# Altium PCB RS2-708_V009.PcbDoc (part 2 of 4)
Units mm, origin at the board's own origin, x right, y up, seen from the top; angles counter-clockwise.
Board outline 68 x 68 mm, 4 copper layers (Top Layer, Layer 1, Layer 2, Bottom Layer), stack 0.783 mm thick; 241 components, 170 nets, 852 pads, 395 vias.
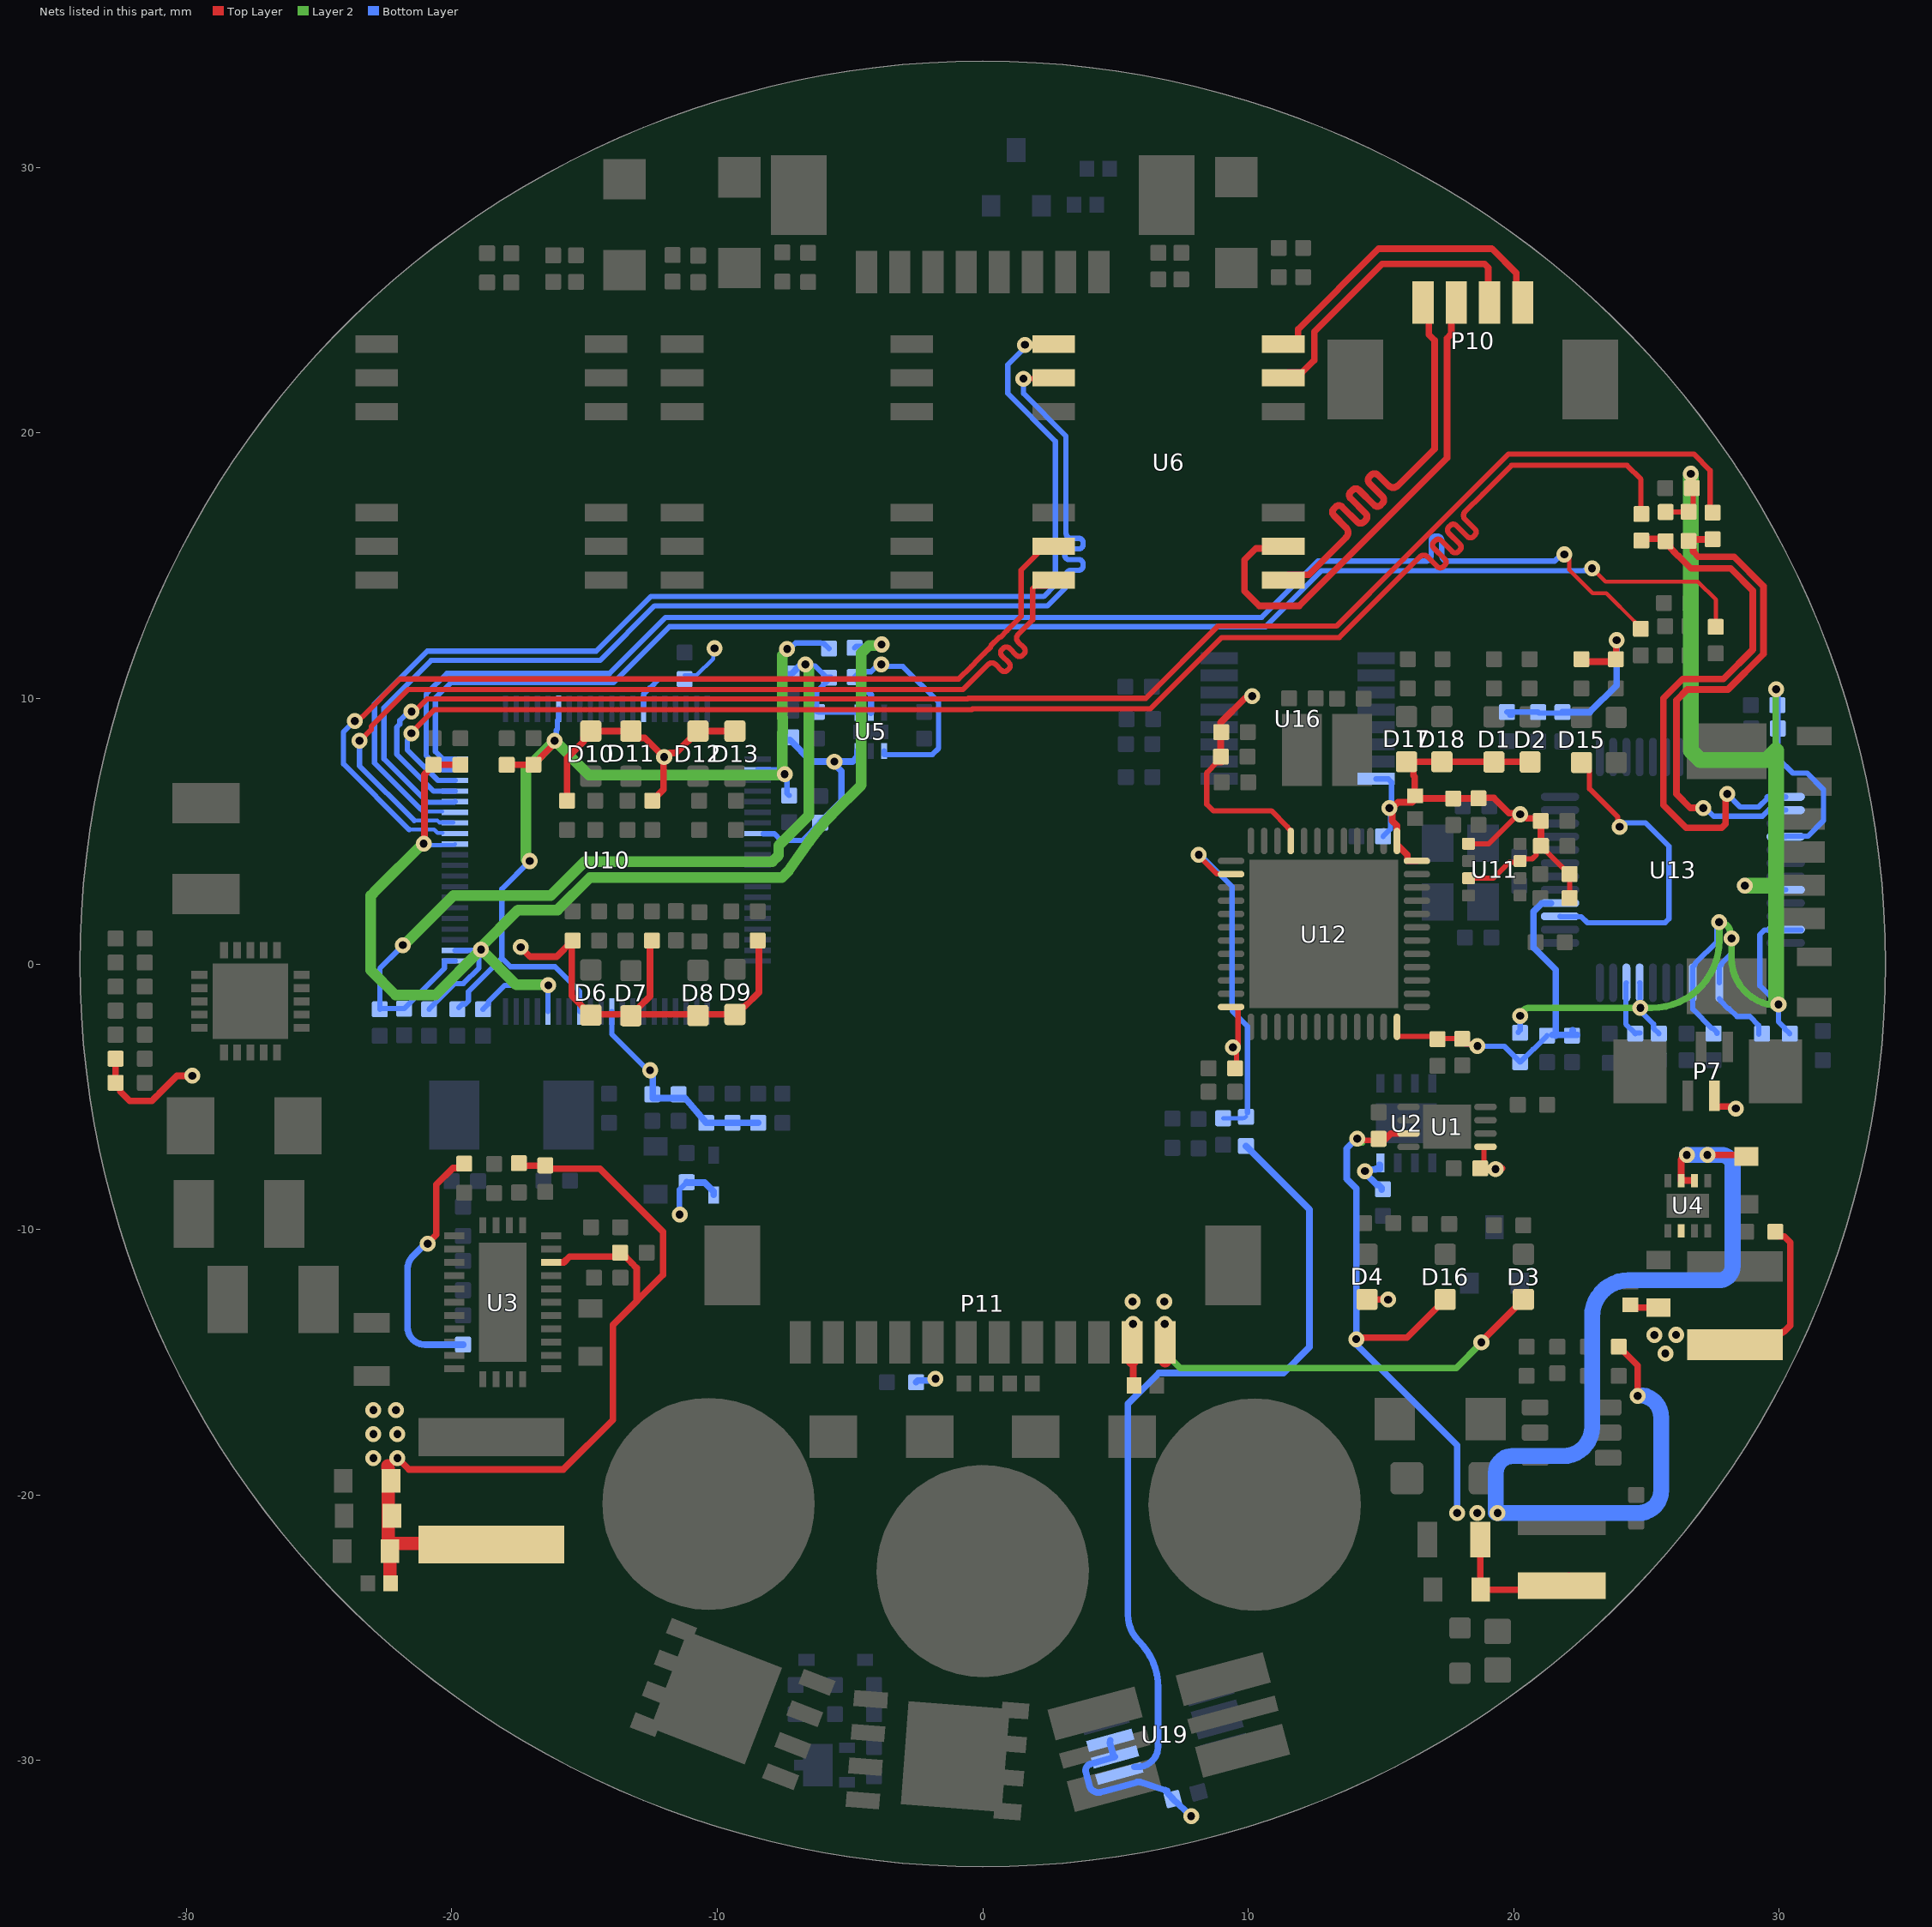
[diagram p4: the nets of this part, all layers, seen from the top]

## Part data (continued)
C60 C61: Capacitance=16pF, Case/Package=0402, Case Code (Metric)=1005, Dielectric=C0G, Manufacturer 1=Murata, Manufacturer Part Number 1=GRM1555C1H160JA01D, Max Operating Temperature=125°C, Min Operating Temperature=-55°C, Package Quantity=1, Supplier Part Number 1=490-5926-1-ND, Voltage Rating=50V, Case Code (Imperial)=0402, ComponentLink1Description=https://datasheet.ciiva.com/3778/10932grm1555c1h160ja0123-3778199.pdf?src-supplier=Arrow, ComponentLink1URL=https://datasheet.ciiva.com/3778/10932grm1555c1h160ja0123-3778199.pdf?src-supplier=Arrow, ComponentLink2Description=https://datasheet.ciiva.com/6256/grm1555c1h160ja01-01-6256808.pdf?src-supplier=Digi-Key, ComponentLink2URL=https://datasheet.ciiva.com/6256/grm1555c1h160ja01-01-6256808.pdf?src-supplier=Digi-Key, ComponentLink3Description=https://datasheet.ciiva.com/18184/getdatasheetpartid-319096-18184204.pdf?src-supplier=Verical, ComponentLink3URL=https://datasheet.ciiva.com/18184/getdatasheetpartid-319096-18184204.pdf?src-supplier=Verical, ComponentLink4Description=https://datasheet.ciiva.com/22698/1666664-22698393.pdf?src-supplier=Element14, ComponentLink4URL=https://datasheet.ciiva.com/22698/1666664-22698393.pdf?src-supplier=Element14, ComponentLink5Description=https://datasheet.ciiva.com/6256/partnumbering-e-01-6256810.pdf?src-supplier=Digi-Key, ComponentLink5URL=https://datasheet.ciiva.com/6256/partnumbering-e-01-6256810.pdf?src-supplier=Digi-Key, ComponentLink6Description=https://datasheet.ciiva.com/6256/partnumbering-e-01-6256812.pdf?src-supplier=Digi-Key, ComponentLink6URL=https://datasheet.ciiva.com/6256/partnumbering-e-01-6256812.pdf?src-supplier=Digi-Key, ComponentLink7Description=https://datasheet.ciiva.com/5426/product-5426941.pdf?src-supplier=Mouser, ComponentLink7URL=https://datasheet.ciiva.com/5426/product-5426941.pdf?src-supplier=Mouser, Depth=0.5mm, Height=0.5mm, Lead Free="Lead Free", Length=1mm, Material=Ceramic, Mount="Surface Mount", Packaging="Tape and Reel", Pricing 1="1=0,10000, 10=0,06500, 100=0,02920, 500=0,02082, 1000=0,01637, 2500=0,01488, 5000=0,01369 (USD)", Radiation Hardening=No, REACH SVHC="No SVHC", RoHS=Yes, Stock 1=244001, Supplier 1=Digi-Key, Termination=SMD/SMT, Thickness=0.022inch, Voltage Rating (DC)=50V, Width=0.5mm
C65: "CAP CER 2.2UF 100V X7R 1206", Capacitance=2.2uF, Case/Package=1206, Manufacturer 1=Yageo, Manufacturer Part Number 1=CC1206KKX7R0BB225, Max Operating Temperature=125°C, Min Operating Temperature=-55°C, Supplier Part Number 1=311-3450-1-ND, Voltage Rating=100V, Category="Ceramic Capacitors", ComponentLink1Description=http://www.yageo.com/documents/recent/UPY-NP0X7R_MV_100-to-630V_21.pdf?src-supplier=Digi-Key, ComponentLink1URL=http://www.yageo.com/documents/recent/UPY-NP0X7R_MV_100-to-630V_21.pdf?src-supplier=Digi-Key, ComponentLink2Description=http://www.yageo.com/documents/recent/UPY-NP0X7R_MV_100-to-630V_18.pdf?src-supplier=Digi-Key, ComponentLink2URL=http://www.yageo.com/documents/recent/UPY-NP0X7R_MV_100-to-630V_18.pdf?src-supplier=Digi-Key, Length=0.126inch, Mount="Surface Mount", Packaging="Tape and Reel", Pricing 1="1=0,72000, 10=0,50600, 50=0,38280, 100=0,33330, 500=0,24690, 1000=0,20987 (USD)", RoHS=Yes, Stock 1=8, Supplier 1=Digi-Key, Thickness=0.057inch, Width=0.063inch
C76: "0402 0.1 uF 100 V ±10% Tolerance X5R SMT Multilayer Ceramic Capacitor", Capacitance=100nF, Case Code (Imperial)=0402, Case Code (Metric)=1005, Dielectric=X5R, Manufacturer 1=Murata, Manufacturer Part Number 1=GRM155R62A104KE14D, Max Operating Temperature=85°C, Min Operating Temperature=-55°C, Package Quantity=10000, Supplier Part Number 1=490-10458-1-ND, Voltage Rating=100V, Case/Package=0402, Category="Ceramic Capacitors", ComponentLink1Description=http://www.farnell.com/datasheets/2079151.pdf?src-supplier=Farnell, ComponentLink1URL=http://www.farnell.com/datasheets/2079151.pdf?src-supplier=Farnell, ComponentLink2Description=http://www.mouser.com/ds/2/281/c02e-2905.pdf?src-supplier=Mouser, ComponentLink2URL=http://www.mouser.com/ds/2/281/c02e-2905.pdf?src-supplier=Mouser, ComponentLink3Description=http://search.murata.co.jp/Ceramy/image/img/A01X/G101/ENG/GRM155R62A104KE14-01.pdf?src-supplier=Digi-Key, ComponentLink3URL=http://search.murata.co.jp/Ceramy/image/img/A01X/G101/ENG/GRM155R62A104KE14-01.pdf?src-supplier=Digi-Key, ComponentLink4Description=http://www.farnell.com/datasheets/2079151.pdf?src-supplier=Newark, ComponentLink4URL=http://www.farnell.com/datasheets/2079151.pdf?src-supplier=Newark, ComponentLink5Description=http://www.farnell.com/datasheets/2079151.pdf?src-supplier=Element14, ComponentLink5URL=http://www.farnell.com/datasheets/2079151.pdf?src-supplier=Element14, Height=0.5mm, Lead Free="Lead Free", Length=0.039inch, Mount="Surface Mount", Packaging="Tape and Reel", Pricing 1="1=0,10000, 10=0,02900, 50=0,01580, 100=0,01300, 500=0,00926, 1000=0,00727, 2500=0,00661, 5000=0,00608 (USD)", REACH SVHC="No SVHC", RoHS=Yes, RoHS Compliant=Yes, Stock 1=1971097, Supplier 1=Digi-Key, Termination=SMD/SMT, Thickness=0.022inch, Voltage Rating (DC)=100V, Weight=0.000212oz, Width=0.5mm
C77: "CAP CER 22UF 16V X5R 0805", Capacitance=22uF, Case Code (Imperial)=0805, Case Code (Metric)=2012, Manufacturer 1=Samsung, Manufacturer Part Number 1=CL21A226KOQNNNE, Max Operating Temperature=85°C, Min Operating Temperature=-55°C, Supplier Part Number 1=1276-6526-1-ND, Voltage Rating=16V, Case/Package=0805, Category="Ceramic Capacitors", ComponentLink1Description=http://www.samsungsem.com/kr/support/library/product-catalog/mlcc.jsp?src-supplier=Digi-Key, ComponentLink1URL=http://www.samsungsem.com/kr/support/library/product-catalog/mlcc.jsp?src-supplier=Digi-Key, Lead Free="Lead Free", Length=0.079inch, Mount="Surface Mount", Packaging="Tape and Reel", Pricing 1="1=0,37000, 10=0,25800, 50=0,18040, 100=0,15460, 500=0,11592, 1000=0,09789 (USD)", RoHS=Yes, RoHS Compliant=Yes, Stock 1=430260, Supplier 1=Digi-Key, Thickness=0.055inch, Voltage Rating (DC)=16V, Width=0.049inch
C83: "CAP CER 1.5UF 35V X5R 0402", Capacitance=1.5uF, Case Code (Imperial)=0402, Case Code (Metric)=1005, Dielectric=X5R, Dielectric Material=Ceramic, Manufacturer 1=TDK, Manufacturer Part Number 1=C1005X5R1V155K050BC, Max Operating Temperature=85°C, Min Operating Temperature=-55°C, Package Quantity=10000, Supplier Part Number 1=445-13860-1-ND, Voltage Rating=35V, Case/Package=0402, Category="Ceramic Capacitors", ComponentLink1Description=https://datasheet.ciiva.com/14896/tdkmlcccaprange-14896024.pdf?src-supplier=Digi-Key, ComponentLink1URL=https://datasheet.ciiva.com/14896/tdkmlcccaprange-14896024.pdf?src-supplier=Digi-Key, ComponentLink2Description=https://datasheet.ciiva.com/14896/tdkmlcccaprange-14896026.pdf?src-supplier=Digi-Key, ComponentLink2URL=https://datasheet.ciiva.com/14896/tdkmlcccaprange-14896026.pdf?src-supplier=Digi-Key, ComponentLink3Description=https://datasheet.ciiva.com/14896/tdkmlcccaprange-14896025.pdf?src-supplier=Digi-Key, ComponentLink3URL=https://datasheet.ciiva.com/14896/tdkmlcccaprange-14896025.pdf?src-supplier=Digi-Key, Height=0.5mm, Lead Free="Lead Free", Length=0.039inch, Mount="Surface Mount", Packaging="Tape and Reel", Pricing 1="1=0,37000, 10=0,25800, 50=0,18100, 100=0,15510, 500=0,11632, 1000=0,09823, 2500=0,09306, 5000=0,08789 (USD)", Resistor Type=Ceramic, RoHS=Yes, RoHS Compliant=Yes, Series=C, Stock 1=9270, Supplier 1=Digi-Key, Termination=SMD/SMT, Thickness=0.022inch, Voltage Rating (DC)=35V, Weight=0.001199oz, Width=0.5mm
C85: "TDK - C1608X5R1C106M080AB - SMD Multilayer Ceramic Capacitor, 10 µF, 16 V, 0603 [1608 Metric], ± 20%, X5R, C Series", Capacitance=10uF, Case Code (Imperial)=0603, Case Code (Metric)=1608, Dielectric=X5R, Dielectric Material=Ceramic, Manufacturer 1=TDK, Manufacturer Part Number 1=C1608X5R1C106M080AB, Max Operating Temperature=85°C, Min Operating Temperature=-55°C, Package Quantity=4000, Supplier Part Number 1=445-9065-1-ND, Voltage Rating=16V, Case/Package=0603, Category="Ceramic Capacitors", ComponentLink1Description=https://datasheet.ciiva.com/26946/getdatasheetpartid-727879-26946512.pdf?src-supplier=Verical, ComponentLink1URL=https://datasheet.ciiva.com/26946/getdatasheetpartid-727879-26946512.pdf?src-supplier=Verical, ComponentLink2Description=https://datasheet.ciiva.com/24216/mlcc-commercial-general-en-24216005.pdf?src-supplier=Mouser, ComponentLink2URL=https://datasheet.ciiva.com/24216/mlcc-commercial-general-en-24216005.pdf?src-supplier=Mouser, ComponentLink3Description=https://datasheet.ciiva.com/16449/mlcc-commercial-general-en-16449581.pdf?src-supplier=Future+Electronics, ComponentLink3URL=https://datasheet.ciiva.com/16449/mlcc-commercial-general-en-16449581.pdf?src-supplier=Future+Electronics, Depth=0.8mm, Height=0.8mm, Lead Free="Lead Free", Length=1.6mm, Mount="Surface Mount", Packaging="Tape and Reel", Pricing 1="1=0,68000, 10=0,48400, 50=0,36580, 100=0,31860, 500=0,23598, 1000=0,20058 (USD)", Radiation Hardening=No, REACH SVHC="No SVHC", Resistor Type=Ceramic, RoHS=Yes, RoHS Compliant=Yes, Series=C, Stock 1=251861, Supplier 1=Digi-Key, Termination=SMD/SMT, Thickness=0.039inch, Voltage Rating (DC)=16V, Weight=7.1E-05oz, Width=0.031inch
C86 C87: "Cap Ceramic 4.7uF 100V X7S 10% Pad SMD 1210 Soft Termination 125°C Automotive T/R", Manufacturer 1=Murata, Manufacturer Part Number 1=GCJ32DC72A475KE01L, Supplier Part Number 1=490-16466-1-ND, Temperature Coefficient=X7S, Tolerance=10%, Voltage=100V, Category="Ceramic Capacitors", ComponentLink1Description=https://search.murata.co.jp/Ceramy/image/img/A01X/G101/ENG/GCJ32DC72A475KE01-01.pdf?src-supplier=Digi-Key, ComponentLink1URL=https://search.murata.co.jp/Ceramy/image/img/A01X/G101/ENG/GCJ32DC72A475KE01-01.pdf?src-supplier=Digi-Key, Pricing 1="1=1,37000, 10=1,07800, 50=0,93460, 100=0,80890, 500=0,61114 (USD)", RoHS=Yes, RoHS Compliant=Yes, Supplier 1=Digi-Key
C88: Capacitance=10uF, Case Code (Imperial)=0603, Case Code (Metric)=1608, Dielectric=X5R, Manufacturer=Murata, Manufacturer Part Number=GRM188R61E106MA73J, Max Operating Temperature=85°C, Min Operating Temperature=-55°C, Package Quantity=10000, Supplier Part Number 1=490-12737-1-ND, Tolerance=20%, Voltage Rating=25V, Case/Package=0603, Component Type="Capacitor Ceramic", Composition=Ceramic, Height=0.8mm, Length=0.063inch, Mount="Surface Mount", Packaging="Tape and Reel", Stock 1=57764, Supplier 1=Digi-Key, Termination=SMD/SMT, Thickness=0.039inch, Voltage Rating (DC)=25V, Weight=0.000222oz, Width=0.031inch
D1 D17: Colour=Yellow, Manufacturer="Wurth Electronics Inc.", Manufacturer Part Number=150060YS75000, Supplier Part Number=732-4981-1-ND, Component Type="Yellow 590nm LED Indication - Discrete 2V 0603 (1608 Metric)", Price=0.39, Supplier=Digi-Key
D2 D18: Colour=Green, Manufacturer="Wurth Electronics Inc.", Manufacturer Part Number=150060GS75000, Supplier Part Number=732-4971-1-ND, Component Type="Green 520nm LED Indication - Discrete 3.2V 0603 (1608 Metric)", Price=0.39, Supplier=Digi-Key
D3 D4 D16 D36: Colour=Red, Manufacturer="Wurth Electronics Inc.", Manufacturer Part Number=150060RS75000, Supplier Part Number=732-4978-1-ND, Component Type="Red 625nm LED Indication - Discrete 2V 0603 (1608 Metric)", Price=0.39, Supplier=Digi-Key
D5: Average Rectified Current=200mA, Forward Current=300mA, Forward Voltage=1V, Manufacturer 1="ON Semiconductor / Fairchild", Manufacturer Part Number 1=1N4148WT, Max Forward Surge Current (Ifsm)=4A, Max Operating Temperature=150°C, Max Repetitive Reverse Voltage (Vrrm)=75V, Min Operating Temperature=-55°C, Package Quantity=1, Peak Reverse Current=5uA, Power Dissipation=200mW, Supplier Part Number 1=1N4148WTCT-ND, ComponentLink1Description=https://datasheet.ciiva.com/30479/0900766b810e1cd4-30479226.pdf?src-supplier=RSComponents, ComponentLink1URL=https://datasheet.ciiva.com/30479/0900766b810e1cd4-30479226.pdf?src-supplier=RSComponents, ComponentLink2Description=https://datasheet.ciiva.com/16744/1n4148wt-16744972.pdf?src-supplier=Future+Electronics, ComponentLink2URL=https://datasheet.ciiva.com/16744/1n4148wt-16744972.pdf?src-supplier=Future+Electronics, ComponentLink3Description=https://datasheet.ciiva.com/916/1n914bwt-916864.pdf?src-supplier=Digi-Key, ComponentLink3URL=https://datasheet.ciiva.com/916/1n914bwt-916864.pdf?src-supplier=Digi-Key, ComponentLink4Description=https://datasheet.ciiva.com/916/1n914bwt-916865.pdf?src-supplier=Digi-Key, ComponentLink4URL=https://datasheet.ciiva.com/916/1n914bwt-916865.pdf?src-supplier=Digi-Key, ComponentLink5Description=https://datasheet.ciiva.com/916/1n914bwt-916866.pdf?src-supplier=Digi-Key, ComponentLink5URL=https://datasheet.ciiva.com/916/1n914bwt-916866.pdf?src-supplier=Digi-Key, ComponentLink6Description=https://datasheet.ciiva.com/15208/getdatasheetpartid-146392-15208359.pdf?src-supplier=Verical, ComponentLink6URL=https://datasheet.ciiva.com/15208/getdatasheetpartid-146392-15208359.pdf?src-supplier=Verical, Contact Plating=Tin,Matte, Element Configuration=Single, Height=0.7mm, Lead Free="Lead Free", Length=1.3mm, Max Reverse Voltage (DC)=75V, Mount="Surface Mount", Number of Pins=2, Packaging="Tape and Reel", Pricing 1="1=0,17000, 10=0,15800, 25=0,15000, 100=0,06600, 250=0,06336, 500=0,05184, 1000=0,03600, 2500=0,03144 (USD)", Radiation Hardening=No, REACH SVHC="No SVHC", Recovery Time=4ns, Reverse Recovery Time=4ns, RoHS=Yes, Stock 1=331918, Supplier 1=Digi-Key, Weight=0.01g, Width=0.9mm
D6 D8 D10 D12 D14: Case/Package=0603, Case Code (Metric)=1608, Color=Green, Forward Current=30mA, Forward Voltage=3.2V, Manufacturer 1="Wurth Electronics", Manufacturer Part Number 1=150060GS75000, Max Operating Temperature=85°C, Min Operating Temperature=-40°C, Package Quantity=4000, Supplier Part Number 1=732-4971-1-ND, Test Current=20mA, Case Code (Imperial)=0603, ComponentLink1Description=https://datasheet.ciiva.com/29562/150060gs75000-29562868.pdf?src-supplier=Digi-Key, ComponentLink1URL=https://datasheet.ciiva.com/29562/150060gs75000-29562868.pdf?src-supplier=Digi-Key, ComponentLink2Description=https://datasheet.ciiva.com/29279/759427-da-01-en-chipled-0603-w-kl-gruen-150060gs75000-29279201.pdf?src-supplier=Conrad, ComponentLink2URL=https://datasheet.ciiva.com/29279/759427-da-01-en-chipled-0603-w-kl-gruen-150060gs75000-29279201.pdf?src-supplier=Conrad, ComponentLink3Description=https://datasheet.ciiva.com/29562/150060gs75000-29562869.pdf?src-supplier=Digi-Key, ComponentLink3URL=https://datasheet.ciiva.com/29562/150060gs75000-29562869.pdf?src-supplier=Digi-Key, ComponentLink4Description=https://datasheet.ciiva.com/29562/150060gs75000-29562870.pdf?src-supplier=Digi-Key, ComponentLink4URL=https://datasheet.ciiva.com/29562/150060gs75000-29562870.pdf?src-supplier=Digi-Key, Dominant Wavelength=520nm, Height=0.7mm, Lead Free="Lead Free", Length=1.6mm, Lens Style=Clear,Rectangular, Luminous Intensity=430mcd, Mount="Surface Mount", Packaging="Tape and Reel", Pricing 1="1=0,14000, 50=0,13300, 100=0,11400, 500=0,09900 (USD)", REACH SVHC=Unknown, RoHS=Yes, Stock 1=151234, Supplier 1=Digi-Key, Viewing Angle=140°, Wavelength=520nm, Width=0.8mm
D7 D9 D11 D13 D15: Case/Package=0603, Case Code (Metric)=1608, Color=Yellow, Forward Current=30mA, Forward Voltage=2V, Manufacturer 1="Wurth Electronics", Manufacturer Part Number 1=150060YS75000, Max Operating Temperature=85°C, Min Operating Temperature=-40°C, Package Quantity=4000, Supplier Part Number 1=732-4981-1-ND, Test Current=20mA, Case Code (Imperial)=0603, ComponentLink1Description=https://datasheet.ciiva.com/23843/150060ys75000-23843250.pdf?src-supplier=Newark, ComponentLink1URL=https://datasheet.ciiva.com/23843/150060ys75000-23843250.pdf?src-supplier=Newark, ComponentLink2Description=https://datasheet.ciiva.com/29279/759432-da-01-en-chipled-0603-w-kl-gelb-150060ys75000-29279206.pdf?src-supplier=Conrad, ComponentLink2URL=https://datasheet.ciiva.com/29279/759432-da-01-en-chipled-0603-w-kl-gelb-150060ys75000-29279206.pdf?src-supplier=Conrad, ComponentLink3Description=https://datasheet.ciiva.com/29563/150060ys75000-29563045.pdf?src-supplier=Digi-Key, ComponentLink3URL=https://datasheet.ciiva.com/29563/150060ys75000-29563045.pdf?src-supplier=Digi-Key, ComponentLink4Description=https://datasheet.ciiva.com/22656/1911348-22656951.pdf?src-supplier=Element14, ComponentLink4URL=https://datasheet.ciiva.com/22656/1911348-22656951.pdf?src-supplier=Element14, ComponentLink5Description=https://datasheet.ciiva.com/29563/150060ys75000-29563033.pdf?src-supplier=Digi-Key, ComponentLink5URL=https://datasheet.ciiva.com/29563/150060ys75000-29563033.pdf?src-supplier=Digi-Key, ComponentLink6Description=https://datasheet.ciiva.com/48430/150060ys75000-eng-tds-48430044.pdf?src-supplier=Distrelec, ComponentLink6URL=https://datasheet.ciiva.com/48430/150060ys75000-eng-tds-48430044.pdf?src-supplier=Distrelec, Dominant Wavelength=590nm, Height=0.7mm, Length=1.6mm, Lens Style=Clear,Rectangular, Luminous Intensity=120mcd, Mount="Surface Mount", Packaging="Tape and Reel", Pricing 1="1=0,14000, 50=0,13300, 100=0,11400, 500=0,09900 (USD)", REACH SVHC=Unknown, RoHS=Yes, Stock 1=48758, Supplier 1=Digi-Key, Viewing Angle=140°, Wavelength=590nm, Width=0.8mm
D19: library part Diode_Zener, Manufacturer 1="NXP Semiconductors", Manufacturer Part Number 1=BZX84J-B15.115, Power Dissopation=500mW, Supplier Part Number 1=1727-6257-1-ND, Voltage Rating (DC)=15V, Category="Zener Diodes", Lead Free="Lead Free", Packaging="Tape and Reel", Pricing 1="1=0,24000, 10=0,16700, 100=0,08150, 500=0,06798, 1000=0,04724 (USD)", RoHS=No, Stock 1=78829, Supplier 1=Digi-Key, Working Voltage=15V, Zener Voltage=15V
D20 D21: "TVS DIODE, 400W, 51V, DO-214AC, FULL REEL; Product Range:SMAJ Series; TVS Polarity:Bidirectional; Reverse Stand-Off Voltage Vrwm:51V; Diode Case Style:DO-214AC; No. of Pins:2Pins; Breakdown Voltage Min:56.7V; Packaging:Tape & Reel ;RoHS Compliant: Yes", Breakdown Voltage=56.7V, Clamping Voltage=82.4V, Leakage Current=1uA, Manufacturer 1=Littelfuse, Manufacturer Part Number 1=SMAJ51CA, Max Breakdown Voltage=62.7V, Max Operating Temperature=150°C, Max Power Dissipation=3.3W, Max Surge Current=4.9A, Min Operating Temperature=-55°C, Operating Supply Voltage=51V, Package Quantity=5000, Peak Pulse Power=400W, Power Line Protection=No, Resistor Type=Zener, Supplier Part Number 1=SMAJ51CALFCT-ND, Test Current=1mA, Category="TVS Diodes", ComponentLink1Description=https://datasheet.ciiva.com/331/littelfuse-tvs-diode-smaj-datasheet-pdf-331040.pdf?src-supplier=Digi-Key, ComponentLink1URL=https://datasheet.ciiva.com/331/littelfuse-tvs-diode-smaj-datasheet-pdf-331040.pdf?src-supplier=Digi-Key, ComponentLink2Description=https://datasheet.ciiva.com/331/littelfuse-tvs-diode-smaj-datasheet-pdf-331041.pdf?src-supplier=Digi-Key, ComponentLink2URL=https://datasheet.ciiva.com/331/littelfuse-tvs-diode-smaj-datasheet-pdf-331041.pdf?src-supplier=Digi-Key, ComponentLink3Description=https://datasheet.ciiva.com/16215/littelfuse-tvs-diode-smaj-16215707.pdf?src-supplier=Future+Electronics, ComponentLink3URL=https://datasheet.ciiva.com/16215/littelfuse-tvs-diode-smaj-16215707.pdf?src-supplier=Future+Electronics, ComponentLink4Description=https://datasheet.ciiva.com/331/littelfuse-tvs-diode-smaj-datasheet-pdf-331039.pdf?src-supplier=Digi-Key, ComponentLink4URL=https://datasheet.ciiva.com/331/littelfuse-tvs-diode-smaj-datasheet-pdf-331039.pdf?src-supplier=Digi-Key, Direction=Bidirectional, Height=2.29mm, Lead Free="Lead Free", Length=5.28mm, Min Breakdown Voltage=56.7V, Mount="Surface Mount", Number of Bidirectional Channels=1, Number of Channels=1, Number of Elements=1, Number of Pins=2, Packaging="Tape and Reel", Peak Pulse Current=4.9A, Polarity=Bidirectional, Power Dissipation=400W, Pricing 1="1=0,45000, 10=0,33600, 100=0,15950, 500=0,14136, 1000=0,11000, 2000=0,10065 (USD)", REACH SVHC="No SVHC", Reverse Breakdown Voltage=56.7V, Reverse Standoff Voltage=51V, RoHS=Yes, Stock 1=36618, Supplier 1=Digi-Key, Termination=SMD/SMT, Voltage Rating (DC)=51V, Width=2.79mm
D22 D24 D26 D29 D30: "TVS DIODE 5V 20V SLP1006P2T", Case Code (Imperial)=0402, Case Code (Metric)=1006, Clamping Voltage=20V, Leakage Current=100nA, Manufacturer 1=Semtech, Manufacturer Part Number 1=RCLAMP0531TQTCT, Max Operating Temperature=125°C, Min Breakdown Voltage=6V, Min Operating Temperature=-40°C, Package Quantity=3000, Peak Pulse Current=4A, Peak Pulse Power=80W, Power Line Protection=No, Resistor Type=Zener, Reverse Standoff Voltage=5V, Supplier Part Number 1=RCLAMP0531TQTCTCT-ND, Case/Package=0402, Category="TVS Diodes", ComponentLink1Description=https://datasheet.ciiva.com/26946/getdatasheetpartid-791156-26946873.pdf?src-supplier=Verical, ComponentLink1URL=https://datasheet.ciiva.com/26946/getdatasheetpartid-791156-26946873.pdf?src-supplier=Verical, ComponentLink2Description=https://datasheet.ciiva.com/29574/rclamp0531tq-29574060.pdf?src-supplier=Digi-Key, ComponentLink2URL=https://datasheet.ciiva.com/29574/rclamp0531tq-29574060.pdf?src-supplier=Digi-Key, Depth=0.6mm, Direction=Bidirectional, Element Configuration=Single, Lead Free="Lead Free", Length=1mm, Mount="Surface Mount", Number of Bidirectional Channels=1, Number of Pins=2, Packaging="Tape and Reel", Pricing 1="1=1,09000, 10=0,97400, 100=0,69300, 500=0,58740, 1000=0,47850 (USD)", Radiation Hardening=No, RoHS=Yes, Stock 1=9000, Supplier 1=Digi-Key, Working Voltage=5V
D23 D27 D34 D35: "TVS DIODE 12V 27V SLP1006P2T", Case Code (Imperial)=0402, Case Code (Metric)=1006, Clamping Voltage=27V, Leakage Current=50nA, Manufacturer 1=Semtech, Manufacturer Part Number 1=UCLAMP1211T.TCT, Max Operating Temperature=125°C, Min Breakdown Voltage=13.3V, Min Operating Temperature=-55°C, Package Quantity=3000, Peak Pulse Current=1A, Power Line Protection=No, Resistor Type=Zener, Reverse Standoff Voltage=12V, Supplier Part Number 1=UCLAMP1211T.TCTCT-ND, Case/Package=0402, Category="TVS Diodes", ComponentLink1Description=https://datasheet.ciiva.com/29587/uclamp1211t-29587782.pdf?src-supplier=Digi-Key, ComponentLink1URL=https://datasheet.ciiva.com/29587/uclamp1211t-29587782.pdf?src-supplier=Digi-Key, ComponentLink2Description=https://datasheet.ciiva.com/45262/uclamp1211t-45262805.pdf?src-supplier=Digi-Key, ComponentLink2URL=https://datasheet.ciiva.com/45262/uclamp1211t-45262805.pdf?src-supplier=Digi-Key, ComponentLink3Description=https://datasheet.ciiva.com/11195/uclamp1211t-11195113.pdf?src-supplier=Avnet, ComponentLink3URL=https://datasheet.ciiva.com/11195/uclamp1211t-11195113.pdf?src-supplier=Avnet, Depth=0.6mm, Direction=Bidirectional, Element Configuration=Single, Length=1mm, Mount="Surface Mount", Number of Bidirectional Channels=1, Number of Pins=2, Packaging="Tape and Reel", Pricing 1="1=0,68000, 10=0,59400, 100=0,40500, 500=0,33840, 1000=0,28800 (USD)", Radiation Hardening=No, RoHS=Yes, Stock 1=75056, Supplier 1=Digi-Key, Working Voltage=12V
D25: library part Diode_Shottky_2, "DIODE SCHOTTKY 100V 2A SOD123F", Average Rectified Current=2A, Manufacturer 1=STMicroelectronics, Manufacturer Part Number 1=STPS2H100ZF, Max Reverse Voltage (DC)=100V, Supplier Part Number 1=497-17152-1-ND, Category="Rectifier Diodes", ComponentLink1Description=http://www.farnell.com/datasheets/2236221.pdf?src-supplier=Farnell, ComponentLink1URL=http://www.farnell.com/datasheets/2236221.pdf?src-supplier=Farnell, ComponentLink2Description=http://www.st.com/content/ccc/resource/technical/document/datasheet/group3/e0/1c/dc/bb/11/47/42/2a/DM00321023/files/DM00321023.pdf/jcr:content/translations/en.DM00321023.pdf?src-supplier=Digi-Key, ComponentLink2URL=http://www.st.com/content/ccc/resource/technical/document/datasheet/group3/e0/1c/dc/bb/11/47/42/2a/DM00321023/files/DM00321023.pdf/jcr:content/translations/en.DM00321023.pdf?src-supplier=Digi-Key, Mount="Surface Mount", Packaging="Cut Tape", Pricing 1="1=0,50000, 10=0,37000, 100=0,20930, 500=0,13860, 1000=0,10626 (USD)", RoHS=Yes, RoHS Compliant=Yes, Stock 1=49302, Supplier 1=Digi-Key
D31: library part Diode_Shottky_2, "DIODE SCHOTTKY 5A 60V SMA", Average Rectified Current=5A, Case/Package=SMA, Manufacturer 1=MCC, Manufacturer Part Number 1=SK56A-LTP, Max Reverse Voltage (DC)=60V, Supplier Part Number 1=SK56A-LTPMSCT-ND, Category="Rectifier Diodes", ComponentLink1Description=http://www.mccsemi.com/up_pdf/SK52A-L-SK510A-L(DO-214AC).pdf?src-supplier=Digi-Key, ComponentLink1URL=http://www.mccsemi.com/up_pdf/SK52A-L-SK510A-L(DO-214AC).pdf?src-supplier=Digi-Key, Mount="Surface Mount", Packaging="Tape and Reel", Pricing 1="1=0,51000, 10=0,41400, 100=0,28160, 500=0,21120, 1000=0,15840, 2000=0,14520 (USD)", RoHS=Yes, RoHS Compliant=Yes, Stock 1=27361, Supplier 1=Digi-Key